# Allegro board FEMA_CBRS_1W_V0P4.brd (continued)
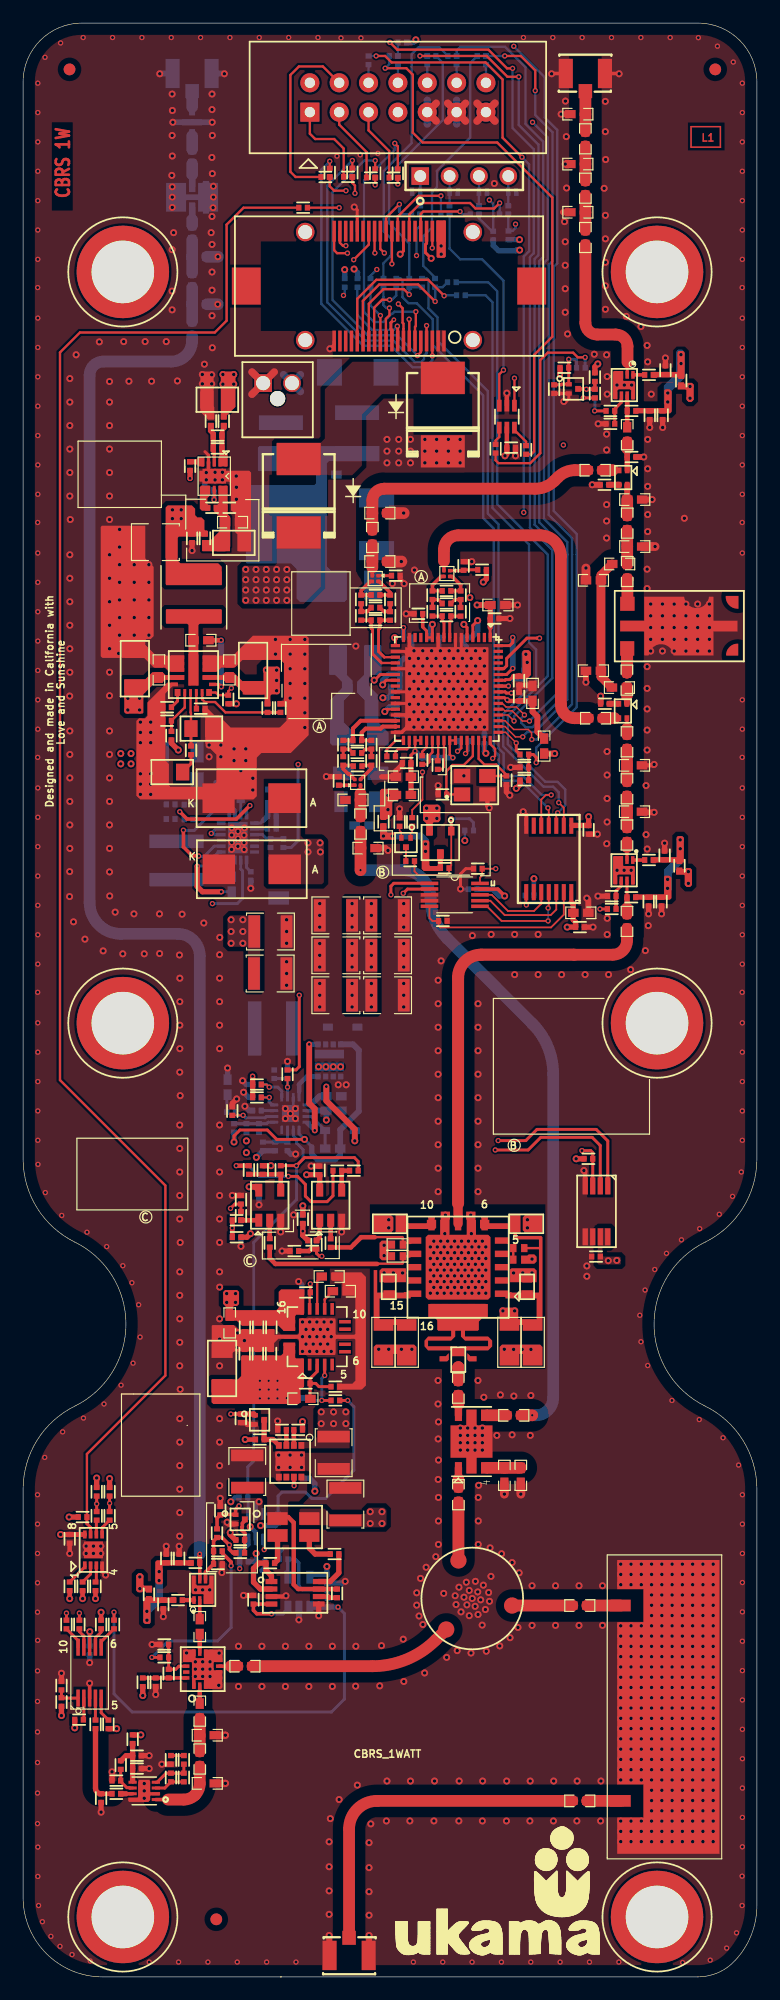
[diagram p0: board, top side]
## Routing (per net, layer and track width the routed paths; a pad name or vN(x,y) marks a point on that pad's centre or on a via; arc(x,y) is an arc through that point)
1.8V_PGOOD: length 91.5
  SIG2 w0.203: v1(16.38,92.84) 4.59,92.84 3.62,91.87 3.62,74.98 12.31,66.29 12.31,50.7 13.07,49.94 17.59,49.94 20.4,47.13 20.4,43.94 21.73,42.6 21.73,36.26 20.78,35.31 v1(18.74,35.31)
  BOTTOM w0.254: U13.18 18.83,95.82 18.99,95.66 18.99,93.29 18.53,92.84 v1(16.38,92.84)
  BOTTOM w0.381: U80.6 19.48,37.4 19.19,37.11 18.91,37.11 18.74,36.93 18.74,36.3 R23.2 v1(18.74,35.31)
1V8V_ENABLE: length 58.8
  TOP w0.203: J1.33 30.41,149.3 30.44,149.27 v1(30.44,149.12)
  SIG2 w0.203: v1(30.44,149.12) 30.44,148.43 28.32,146.31 28.32,132.21 27.56,131.45 27.56,105.54 26.9,104.88 v1(23.8,104.88)
  BOTTOM w0.254: v1(23.8,104.88) 23.8,98.29 23.2,97.69 R12.1
5V_LDO_EN: length 2.9
  TOP w0.203: U48.14 24.8,59.15 R215.2 v1(24.86,59.94) 24.86,59.94
  BOTTOM w0.203: R215.2 v1(24.86,59.94) 24.86,59.94
5V_LDO_PG: length 17.7
  TOP w0.254: R220.2 v1(28.08,49.86)
  BOTTOM w0.254: U80.3 22.05,40.04 R21.2 22.06,41.6 22.4,41.93 24.43,41.93 24.98,41.38 26.18,41.38 28.62,43.82 28.62,49.33 v1(28.08,49.86)
12V_DCDC_PGOOD: length 2.5
  TOP w0.203: U47.18 16.66,111.1 16.89,110.87 R210.2 17.75,111.2 v1(18.03,111.48)
28V_VDS_ENABLE: length 76.5
  TOP w0.203: v1(28.61,148.53) 29.91,149.84 J1.34
  TOP w0.254: v1(23.9,84.91) 23.9,78.73 23.62,78.45 R18.1
  SIG1 w0.203: v1(28.61,148.53) 27.57,148.53 27.16,148.12 27.16,139.04 26.07,137.96 26.07,104.94 23.9,102.77 v1(23.9,84.91)
GND: length 227.5
  TOP w0.254: v2(46.79,136.27) 46.99,136.27 47.23,136.5 Q2.2 ; U19.21 32.27,113.15 33.14,113.15 33.44,112.85 v2(33.44,112.73) ; v2(33.44,114.05) 33.44,114.23 33.01,114.65 32.27,114.65 U19.18 ; 15.74,131.93 16.04,131.63 16.04,131.06 ; v2(26.55,140.83) 26.91,141.19 J1.20 ; v2(33.44,110.08) 33.37,110.15 U19.27 ; C169.2 38.31,95.86 37.85,95.4 v2(37.85,94.11) ; U19.7 37.42,115.8 37.42,112.15 ; J1.24 34.92,151 34.92,149.95 34.82,149.85 34.82,149.15 v2(35.31,148.65) ; v2(32.63,149.01) 32.91,149.3 J1.28 ; 37.42,112.15 U19.65 ; 37.42,112.15 37.92,112.65 37.92,115.8 U19.6 ; U19.25 33.19,111.15 v2(33.44,111.4) ; v2(28.65,153.09) 28.91,152.83 J1.36 ; R106.1 27.56,101.8 ; J1.10 31.94,142.43 31.83,142.54 31.83,143.08 v3(32.08,143.34)
  TOP w0.305: U79.4 6.84,35.06 v2(7.14,34.76) ; U78.3 v2(5.76,25.4) ; 33.42,115.9 U19.15 33.42,115.11 v2(33.82,114.71) ; CON2.3 51.43,164.64 51.45,164.62 ; v2(33.82,108.1) 33.21,108.1 32.77,107.65 U19.32 32.17,107.65 ; 32.17,109.15 U19.29 33.05,109.15 v2(33.44,108.76) ; v2(43.27,100.79) 43.54,100.52 U84.7 ; v2(36.11,114.71) 36.11,114.76 35.92,114.95 35.92,115.8 U19.10 ; R41.2 47.23,136.96 Q2.2 ; 37.63,114.86 v2(37.63,114.71) ; CON2.2 45.76,164.64 v2(45.74,164.62) ; 16.04,131.06 U10.4 16.04,130.2 ; 32.17,111.15 U19.25 ; 32.17,110.15 U19.27
  TOP w0.381: v2(40.34,101.12) 40.18,101.27 U27.2 ; v2(54.61,104.88) 54.53,104.8 R289.2 ; C143.2 32.63,120.89 32.97,120.55 v2(32.97,120.51) ; U72.3 22.68,32.9 v2(22.75,32.96) ; U87.2 v2(41.86,137)
  TOP w0.394: C91.2 v2(4.03,36.62) ; v2(48.53,69.75) 48.63,69.65 48.63,68.4
  TOP w0.457: C140.1 v2(35.91,103.04) ; C155.2 v2(42.79,118.67) ; v2(42.12,102.21) 41.82,102.5 C144.1 ; R131.2 19.26,47.94 19.42,47.78 Q6.2 ; C249.2 v2(24.93,70.14) ; C145.2 v2(42.13,117.5) ; R167.2 v2(49.74,93.49) ; 43.02,111.67 C157.2 43.97,111.74 C154.2 C158.2 ; C206.2 v2(54.13,91.95) ; C257.2 v2(42.61,131.57) ; C63.2 v2(6.75,14.25) ; C199.2 v2(54.23,134.02) ; v2(17.65,39.33) 17.81,39.17 Q3.2 ; C138.2 v2(26.24,103.83) ; C195.2 v2(13.5,37.25) ; U86.3 v2(27.57,64.43) ; C201.2 v2(55.58,140.04) ; C196.2 v2(12.39,37.25) ; v2(17.2,34.97) 17.23,35 R161.2 ; C156.2 v2(33.14,117.91) ; C259.1 v2(10.91,19.14) ; C194.2 v2(12.13,31.16) ; C200.2 v2(55.34,134.02) ; C242.2 v2(14.62,123.37) ; C139.2 v2(38.83,122.42) ; R97.2 v2(11.16,28.75) ; C178.2 v2(49.32,90.81) ; C50.2 18.1,75.57 18.48,75.94 v2(18.48,75.94) ; C101.2 v2(11.48,24.42) ; R132.2 v2(19.08,33) ; R164.2 v2(49.76,134.34) ; C204.2 v2(55.51,98.07) ; R104.2 v2(17.06,41.4) ; C68.1 v2(10.91,18.02) ; R295.2 v2(18.1,67.6) ; R122.1 v2(32.58,101.03) ; R72.2 v2(3.32,26.26) ; 31.03,103.81 C148.2 32.26,104.3 32.81,104.86 C149.2 ; R128.2 v2(22.03,48.08) ; C131.2 v2(42.19,104.62) ; C205.2 v2(55.25,91.95) ; U72.5 v2(25.58,31.24) ; C179.2 v2(49.7,98.84) ; C258.1 v2(12.01,18.4) ; R308.1 v2(7.69,17.74) ; R297.2 v2(22.41,62.79)
  TOP w0.508: v2(31.58,97.43) 31.37,97.64 R107.1 ; C180.2 48.91,93.18 v2(48.78,93.31) ; 26.73,1.86 26.48,2.11 v2(26.48,3.58) ; 29.68,1.86 29.94,2.11 v2(29.94,3.58) ; R35.2 v2(49.25,129.07) ; U85.3 v2(22.29,64.43) ; 46.73,152.65 46.74,152.64 R37.1 ; R288.2 53.61,100.74 v2(54.61,100.74) ; R50.1 v2(54.44,127.79) ; v2(46.91,156.81) R36.1 ; C221.2 v2(53.71,131.47) ; R367.1 v2(48.71,111.99) ; D4.1 v2(46.56,161.13) ; R53.2 v2(49.98,110.79)
  TOP w0.635: 39.28,160.52 J3.13 ; J3.13 39.28,162.08 ; J3.13 40.83,162.08 ; J3.13 40.83,160.52 ; 36.74,162.08 J3.11 ; J3.11 38.29,160.52 ; J3.11 38.29,162.08 ; J3.11 36.74,160.52 ; R86.1 v2(17.5,16.74) ; R88.1 v2(17.5,20.9) ; 35.75,160.52 J3.9 35.75,162.08 ; 19.81,136.89 J2.1 ; J2.1 21.74,138.83 ; J2.1 19.81,138.83
  TOP w0.762: R59.2 v2(43.07,41.76) ; R49.1 v2(54.69,123.72) ; R58.2 v2(41.65,41.76) ; R368.1 v2(48.71,121.87)
  TOP w1.016: R118.1 v2(32.93,126.62) ; R117.1 v2(32.73,122.43)
  GND1 w0.635: 19.81,136.89 J2.1 ; J2.1 21.74,138.83 ; J2.1 19.81,138.83 ; J3.9 35.75,160.52 ; J3.9 34.2,162.08 ; J3.9 34.2,160.52 ; J3.9 35.75,162.08 ; J3.11 38.29,160.52 ; J3.11 36.74,160.52 ; J3.11 38.29,162.08 ; J3.11 36.74,162.08 ; J3.13 40.83,160.52 ; J3.13 39.28,162.08 ; J3.13 39.28,160.52 ; J3.13 40.83,162.08
  SIG1 w0.635: 34.2,162.08 J3.9 ; J3.9 35.75,162.08 ; J3.9 34.2,160.52 ; J3.9 35.75,160.52 ; 36.74,160.52 J3.11 ; J3.11 36.74,162.08 ; J3.11 38.29,160.52 ; J3.11 38.29,162.08 ; J3.13 40.83,160.52 ; J3.13 40.83,162.08 ; J3.13 39.28,160.52 ; J3.13 39.28,162.08 ; 19.81,136.89 J2.1 ; J2.1 21.74,138.83 ; J2.1 19.81,138.83
  SIG2 w0.635: J3.9 35.75,160.52 ; J3.9 34.2,160.52 ; J3.9 35.75,162.08 ; J3.9 34.2,162.08 ; J3.13 40.83,160.52 ; J3.13 39.28,162.08 ; J3.13 40.83,162.08 ; J3.13 39.28,160.52 ; 21.74,138.83 J2.1 20.77,136.89 ; 36.74,162.08 J3.11 ; J3.11 38.29,160.52 ; J3.11 36.74,160.52 ; J3.11 38.29,162.08
  BOTTOM w0.254: U1.11 23.38,75.29 v2(23.56,75.11) ; C168.2 37.88,94.08 v2(37.85,94.11) ; 18.01,99.61 18.01,99.58 18.06,99.53 v2(18.06,99.39)
  BOTTOM w0.381: v2(36.11,114.71) 36,114.81 C147.2 ; v2(33.82,114.71) 33.67,114.87 R109.2 ; 33.08,109.12 33.09,109.12 33.48,108.74 ; 33.08,109.12 v2(33.44,108.76) ; 33.08,109.12 C152.2 ; C146.2 v2(39.92,108.1) ; v2(38.4,114.71) 38.4,115.07 38.07,115.4 C150.2 ; C44.2 20.91,35.41 20.65,35.15 20.65,35.1 ; 22.39,36.96 22.17,36.73 R133.2
  BOTTOM w0.394: v2(20.41,41.1) 20.13,40.82 U80.2
  BOTTOM w0.457: v2(33.44,114.05) 32.95,114.05 32.59,113.69 C153.2 ; v2(15.85,130.12) 15.8,130.12 15.72,130.05 C248.2 ; v2(23.84,60.15) 24.11,59.88 R217.2 ; C89.2 v2(5.76,27.18) ; v2(19.19,75.31) 19.22,75.28 19.22,75.28 19.57,74.93 C49.2 ; v2(23.58,71.17) 23.16,71.17 R32.2 ; R27.2 19.52,76.07 v2(19.08,76.52) ; C159.2 42.42,112.27 42.4,112.29 ; C250.2 v2(20.41,66.78) ; R16.2 v2(19.7,94.16) ; R272.2 v2(18.85,63.2) ; v2(27.87,34.21) 27.76,34.21 27.62,34.07 C167.2 ; R20.2 v2(22.88,79.19) ; C20.2 R15.2 ; C52.2 v2(17.69,78.61) ; R274.2 v2(23.41,65.91) ; v2(18.99,77.52) 19.32,77.19 R25.1
  BOTTOM w0.508: C18.2 16.7,103.29 ; FL3.3 v2(16.46,154.89) ; 15.83,153.42 16.06,153.42 v2(16.44,153.04) ; U73.2 v2(23.86,30.88) ; CON4.2 17.39,164.64 v2(17.42,164.62) ; CON4.3 11.85,164.64 v2(11.83,164.62) ; C19.2 v2(18.84,104.34) ; v2(16.36,160.43) D5.2 v2(12.96,160.43)
  BOTTOM w0.635: 34.97,160.27 J3.9 34.97,162.33 ; 37.51,162.33 J3.11 37.51,160.27 ; 19.81,136.89 J2.1 19.81,138.83 ; 40.83,162.08 J3.13 40.83,160.52
  BOTTOM w1.016: R291.1 v2(16.86,148.79) ; R294.1 v2(16.84,144.68)
  vias: v1(1.25,41.71) v1(1.25,39.17) v1(1.25,36.63) v1(1.25,34.09) v1(1.25,31.55) v1(1.25,26.47) v1(1.25,23.83) v1(1.25,21.18) v1(1.25,18.54) v1(1.25,15.9) v1(1.25,13.26) v1(1.27,163.8) v1(1.27,161.26) v1(1.27,158.72) v1(1.27,156.18) v1(1.27,153.64) v1(1.27,151.1) v1(1.27,148.56) v1(1.26,146.13) v1(1.27,143.48) v1(1.27,140.94) v1(1.27,138.4) v1(1.27,135.86) v1(1.27,133.32) v1(1.27,130.78) v1(1.27,128.24) v1(1.26,125.81) v1(1.27,123.16) v1(1.27,120.62) v1(1.27,118.08) v1(1.27,115.54) v1(1.27,113) v1(1.27,110.46) v1(1.27,107.92) v1(1.26,105.49) v1(1.27,102.84) v1(1.27,100.3) v1(1.27,97.76) v1(1.27,95.22) v1(1.27,92.68) v1(1.27,90.14) v1(1.27,87.6) v1(1.26,85.17) v1(1.27,82.52) v1(1.27,79.98) v1(1.27,77.44) v1(1.27,74.9) v1(1.27,72.36) v1(1.29,70.28) v1(1.26,29.11) v1(1.27,11.23) v1(1.27,8.69) v1(1.34,6.17) v1(1.67,4.78) v1(1.9,166.04) v1(1.92,67.84) v1(1.87,44.93) v1(2.4,3.51) v1(3.24,167.28) v1(3.19,2.64) v1(3.34,65.86) v1(3.42,47.14) v1(4.23,1.93) v1(5.2,167.75) v1(5.22,48.34) v1(5.53,64.41) v1(5.81,1.37) v1(7,49.56) v1(7.23,63.17) v1(7.74,167.75) v1(8.47,51.18) v1(8.63,61.52) v1(9.41,60.05) v1(9.52,53.09) v1(10,58.14) v1(10.13,55.35) v1(10.28,167.75) v1(10.91,1.28) v1(12.82,167.75) v1(13.45,1.28) v1(15.36,167.75) v1(15.99,1.28) v1(17.9,167.75) v1(18.53,1.28) v1(20.44,167.75) v1(21.07,1.28) v1(22.98,167.75) v1(23.61,1.28) v1(25.52,167.75) v1(27.16,157.5) v1(27.51,167.72) v1(29.24,167.72) v1(29.18,157.61) v1(30.7,157.73) v1(33.77,1.28) v1(36.31,1.28) v1(38.85,1.28) v1(41.39,1.28) v1(43.3,167.75) v1(43.93,1.28) v1(45.84,167.75) v1(46.47,1.28) v1(48.38,167.75) v1(49.01,1.28) v1(50.92,167.75) v1(51.55,1.28) v1(53.37,57.23) v1(53.46,167.75) v1(53.47,54.94) v1(53.82,59.41) v1(54.05,52.88) v1(54.66,61.19) v1(55.68,62.59) v1(56,167.75) v1(56.15,49.86) v1(56.97,63.75) v1(57.07,1.24) v1(58.44,167.74) v1(58.55,64.72) v1(58.51,48.21) v1(59.46,1.45) v1(60.09,167.01) v1(60.25,65.96) v1(60.57,46.63) v1(60.88,2.49) v1(61.39,67.51) v1(61.46,165.63) v1(61.74,3.81) v1(61.92,44.27) v1(62.24,163.8) v1(62.24,161.26) v1(62.24,158.72) v1(62.24,156.18) v1(62.24,153.64) v1(62.24,151.1) v1(62.24,148.56) v1(62.23,146.13) v1(62.24,143.48) v1(62.24,140.94) v1(62.24,138.4) v1(62.24,135.86) v1(62.24,133.32) v1(62.24,130.78) v1(62.24,128.24) v1(62.23,125.81) v1(62.24,123.16) v1(62.24,110.46) v1(62.24,107.92) v1(62.23,105.49) v1(62.24,102.84) v1(62.24,100.3) v1(62.24,97.76) v1(62.24,95.22) v1(62.24,92.68) v1(62.24,90.14) v1(62.24,87.6) v1(62.23,85.17) v1(62.24,82.52) v1(62.24,79.98) v1(62.24,77.44) v1(62.24,74.9) v1(62.24,72.36) v1(62.15,69.62) v1(62.25,41.71) v1(62.25,39.17) v1(62.25,36.63) v1(62.25,34.11) v1(62.25,31.57) v1(62.25,29.03) v1(62.25,26.49) v1(62.25,23.95) v1(62.25,21.41) v1(62.25,18.87) v1(62.25,16.33) v1(62.25,13.79) v1(62.25,11.25) v1(62.22,8.71) v1(62.22,6.17) v2(4.04,138.25) v2(4.04,136.22) v2(4.04,134.19) v2(4.04,132.16) v2(4.04,130.12) v2(4.04,128.09) v2(4.04,123.01) v2(4.04,120.98) v2(4.04,118.95) v2(4.04,116.92) v2(4.04,114.88) v2(4.04,112.85) v2(4.03,110.79) v2(4.04,107.77) v2(4.04,105.74) v2(4.04,103.71) v2(4.04,101.68) v2(4.04,99.64) v2(4.04,97.61) v2(4.03,95.61) v2(4.02,93.45) v2(4.08,126.06) v2(4.36,91.26) v2(4.59,140.31) v2(5.35,89.76) v2(5.45,37.26) v2(5.45,36.63) v2(6.09,37.26) v2(6.09,36.63) v2(6.6,141.43) v2(6.72,37.26) v2(6.72,36.63) v2(6.93,88.75) v2(7.48,138) v2(7.48,136.22) v2(7.48,134.19) v2(7.48,132.16) v2(7.48,130.12) v2(7.48,128.09) v2(7.48,126.06) v2(7.48,123.01) v2(7.48,120.98) v2(7.48,118.95) v2(7.48,116.92) v2(7.48,114.88) v2(7.48,112.85) v2(7.48,110.82) v2(7.48,107.77) v2(7.48,105.74) v2(7.48,103.71) v2(7.48,101.68) v2(7.48,99.64) v2(7.48,97.61) v2(7.48,95.58) v2(7.5,93.5) v2(7.97,92.1) v2(8.35,125.2) v2(8.35,123.68) v2(8.35,122.15) v2(8.35,120.63) v2(8.35,119.11) v2(8.35,117.58) v2(8.35,116.06) v2(8.27,114.48) v2(8.63,88.49) v2(8.7,141.45) v2(9.16,138.02) v2(9.62,122.15) v2(9.62,120.63) v2(9.62,119.11) v2(9.62,117.58) v2(9.62,116.06) v2(9.59,91.95) v2(10.15,108.53) v2(10.15,107.65) v2(10.15,106.76) v2(10.15,104.06) v2(10.15,103.17) v2(10.15,102.29) v2(10.48,88.49) v2(10.48,16.72) v2(10.48,16.09) v2(10.48,15.45) v2(10.56,141.45) v2(10.89,122.15) v2(10.89,120.63) v2(10.89,119.11) v2(10.89,117.58) v2(10.89,116.06) v2(11.04,108.53) v2(11.04,107.65) v2(11.04,106.76) v2(11.04,104.06) v2(11.04,103.17) v2(11.04,102.29) v2(11.12,138.02) v2(11.8,91.95) v2(11.81,88.52) v2(12.39,141.45) v2(12.89,162.86) v2(12.92,161.44) v2(12.89,159.28) v2(12.91,157.51) v2(12.87,155.83) v2(12.91,154.84) v2(12.91,153.95) v2(12.91,153.06) v2(12.89,149.4) v2(12.89,145.82) v2(12.89,144.2) v2(13.02,150.88) v2(13.35,138.05) v2(13.53,88.39) v2(13.55,38.13) v2(13.56,86.39) v2(13.56,84.35) v2(13.56,82.32) v2(13.56,80.29) v2(13.56,78.26) v2(13.59,76.23) v2(13.56,73.69) v2(13.56,71.65) v2(13.56,69.62) v2(13.56,67.59) v2(13.56,65.56) v2(13.59,63.53) v2(13.56,60.99) v2(13.56,58.95) v2(13.56,56.92) v2(13.56,54.89) v2(13.56,52.86) v2(13.59,50.83) v2(13.56,48.29) v2(13.56,46.25) v2(13.56,44.22) v2(13.56,42.19) v2(13.56,40.16) v2(13.76,91.92) v2(14.14,28.02) v2(14.93,33.48) v2(14.9,27.25) v2(14.9,26.62) v2(14.9,25.98) v2(15.51,138.61) v2(15.51,137.8) v2(15.54,33.48) v2(15.54,27.25) v2(15.54,26.62) v2(15.54,25.98) v2(15.64,91.16) v2(15.69,139.5) v2(15.85,129.49) v2(16.09,106.55) v2(16.09,105.54) v2(16.15,33.48) v2(16.17,27.25) v2(16.17,26.62) v2(16.17,25.98) v2(16.35,162.86) v2(16.35,161.52) v2(16.34,157.38) v2(16.35,152.27) v2(16.27,150.88) v2(16.35,149.86) v2(16.35,147.47) v2(16.35,145.9) v2(16.35,143.69) v2(16.32,138.58) v2(16.32,137.8) v2(16.37,159.28) v2(16.37,155.98) v2(16.37,140.92) v2(16.46,153.95) v2(16.61,130.15) v2(16.61,129.49) v2(16.93,25.22) v2(17.02,89.92) v2(17,88.42) v2(17,86.39) v2(17,84.35) v2(17,82.32) v2(17,80.29) v2(17,73.69) v2(17,71.65) v2(17,69.62) v2(17,67.59) v2(17,65.56) v2(17,63.53) v2(17,60.99) v2(17.01,59.66) v2(17,56.92) v2(17.01,55.16) v2(17,52.86) v2(17,48.29) v2(17,46.25) v2(17,44.22) v2(17.01,42.49) v2(16.96,28.01) v2(17.11,106.55) v2(17.11,105.54) v2(17.25,130.15) v2(17.25,129.49) v2(18.04,97.52) v2(18.05,98.77) v2(18.05,98.13) v2(18.25,106.22) v2(18.25,105.21) v2(18.44,129.82) v2(18.46,128.85) v2(18.46,127.81) v2(18.49,54.43) v2(18.59,99.09) v2(18.59,98.45) v2(18.59,97.79) v2(18.57,55.7) v2(18.63,28.6) v2(18.63,25.12) v2(19.12,98.76) v2(19.12,98.12) v2(19.13,97.51) v2(19.15,99.39) v2(19.15,55.04) v2(19.27,106.22) v2(19.27,105.21) v2(19.88,103.68) v2(19.88,102.67) v2(20.67,28.6) v2(20.67,25.12) v2(21.84,115.69) v2(21.84,114.42) v2(22.11,45.14) v2(22.11,44.07) v2(22.7,75.11) v2(22.7,74.25) v2(22.7,28.6) v2(22.7,25.12) v2(22.8,91.44) v2(22.8,90.42) v2(22.8,89.41) v2(22.8,87.81) v2(22.8,86.79) v2(22.8,85.78) v2(23.11,115.69) v2(23.11,114.42) v2(23.11,113.15) v2(23.11,111.88) v2(23.11,110.61) v2(23.13,74.68) v2(23.11,45.14) v2(23.11,44.07) v2(23.56,74.24) v2(24.1,45.14) v2(24.1,44.07) v2(24.18,56.65) v2(24.18,55.37) v2(24.18,54.1) v2(24.38,115.69) v2(24.38,114.42) v2(24.38,113.15) v2(24.38,111.88) v2(24.38,110.61) v2(24.38,109.34) v2(24.38,108.07) v2(24.48,56.01) v2(24.48,54.74) v2(24.73,28.6) v2(24.73,25.12) v2(24.8,56.65) v2(24.8,55.37) v2(24.8,54.1) v2(25.1,56.01) v2(25.1,54.74) v2(25.42,56.65) v2(25.42,55.37) v2(25.42,54.1) v2(25.67,92.84) v2(25.67,91.82) v2(25.67,90.81) v2(25.67,89.38) v2(25.67,88.37) v2(25.67,87.35) v2(25.67,85.93) v2(25.67,84.91) v2(25.67,83.9) v2(25.73,56.01) v2(25.73,54.74) v2(26.04,56.65) v2(26.04,55.37) v2(26.04,54.1) v2(26.36,56.01) v2(26.36,54.74) v2(26.48,11.68) v2(26.48,9.53) v2(26.48,7.44) v2(26.48,5.41) v2(26.58,13.69) v2(26.67,56.65) v2(26.67,55.37) v2(26.67,54.1) v2(26.76,28.6) v2(26.76,25.12) v2(27.27,77.17) v2(27.35,15.34) v2(27.96,77.17) v2(28.79,115.11) v2(28.79,28.6) v2(28.78,25.15) v2(28.92,16.59) v2(29.94,11.61) v2(29.94,9.45) v2(29.94,7.37) v2(29.94,5.33) v2(30.09,13.23) v2(30.78,54.29) v2(30.86,25.17) v2(31.01,28.65) v2(31.24,63.29) v2(31.24,62.39) v2(31.24,60.89) v2(31.44,13.49) v2(31.49,132.99) v2(31.49,131.98) v2(31.49,130.96) v2(31.49,16.94) v2(31.64,65.49) v2(31.64,64.79) v2(31.64,54.29) v2(31.96,120.52) v2(32.04,60.89) v2(32.5,132.99) v2(32.5,131.98) v2(32.5,130.96) v2(32.74,54.29) v2(32.84,60.89) v2(32.94,92.84) v2(32.94,91.82) v2(32.94,90.81) v2(32.94,89.38) v2(32.94,88.37) v2(32.94,87.35) v2(32.94,85.93) v2(32.94,84.91) v2(32.94,83.9) v2(32.89,29.21) v2(32.94,25.55) v2(33.52,132.99) v2(33.52,131.98) v2(33.52,130.96) v2(33.52,16.94) v2(33.47,13.49) v2(33.64,54.29) v2(33.82,113.39) v2(33.82,112.06) v2(33.82,110.74) v2(33.82,109.42) v2(33.86,121.69) v2(34.06,33.22) v2(34.06,32.16) v2(34.2,114.05) v2(34.2,112.73) v2(34.2,111.4) v2(34.2,110.08) v2(34.2,108.76) v2(34.26,31.22) v2(34.39,34.47) v2(34.59,114.71) v2(34.59,113.39) v2(34.59,112.06) v2(34.59,110.74) v2(34.59,109.42) v2(34.59,108.1) v2(34.59,30.48) v2(34.75,26.29) v2(34.77,132.99) v2(34.77,131.98) v2(34.77,130.96) v2(34.87,35.43) v2(34.97,114.05) v2(34.97,112.73) v2(34.97,111.4) v2(34.97,110.08) v2(34.97,108.76) v2(35.24,63.14) v2(35.24,62.14) v2(35.24,61.14) v2(35.24,60.14) v2(35.24,59.14) v2(35.35,114.71) v2(35.35,113.39) v2(35.35,112.06) v2(35.35,110.74) v2(35.35,109.42) v2(35.35,108.1) v2(35.54,63.64) v2(35.54,62.64) v2(35.54,61.64) v2(35.54,60.64) v2(35.54,59.64) v2(35.6,16.94) v2(35.55,13.49) v2(35.73,114.05) v2(35.73,112.73) v2(35.73,111.4) v2(35.73,110.08) v2(35.73,108.76) v2(35.71,36.35) v2(35.78,132.99) v2(35.78,131.98) v2(35.78,130.96) v2(35.84,63.14) v2(35.84,62.14) v2(35.84,61.14) v2(35.84,60.14) v2(35.84,59.14) v2(35.91,86.21) v2(35.91,84.18) v2(35.91,82.14) v2(35.91,80.11) v2(35.91,78.08) v2(35.91,76.05) v2(35.91,74.02) v2(35.91,71.98) v2(35.91,69.95) v2(35.91,67.92) v2(35.91,51.59) v2(35.91,49.56) v2(35.94,48.01) v2(35.92,46.53) v2(35.94,44.7) v2(35.92,43.03) v2(35.94,41.47) v2(35.94,39.44) v2(35.94,37.41) v2(36.11,113.39) v2(36.11,112.06) v2(36.11,110.74) v2(36.11,109.42) v2(36.11,108.1) v2(36.14,63.64) v2(36.14,62.64) v2(36.14,61.64) v2(36.14,60.64) v2(36.14,59.64) v2(36.17,87.88) v2(36.44,63.14) v2(36.44,62.14) v2(36.44,61.14) v2(36.44,60.14) v2(36.44,59.14) v2(36.4,33.17) v2(36.49,114.05) v2(36.49,112.73) v2(36.49,111.4) v2(36.49,110.08) v2(36.49,108.76) v2(36.54,65.89) v2(36.49,64.29) v2(36.74,63.64) v2(36.74,62.64) v2(36.74,61.64) v2(36.74,60.64) v2(36.74,59.64) v2(36.65,27.64) v2(36.8,132.99) v2(36.8,131.98) v2(36.8,130.96) v2(36.87,114.71) v2(36.87,113.39) v2(36.87,112.06) v2(36.87,110.74) v2(36.87,109.42) v2(36.87,108.1) v2(37.04,63.14) v2(37.04,62.14) v2(37.04,61.14) v2(37.04,60.14) v2(37.04,59.14) v2(37.25,114.05) v2(37.25,112.73) v2(37.25,111.4) v2(37.25,110.08) v2(37.25,108.76) v2(37.34,63.64) v2(37.34,62.64) v2(37.34,61.64) v2(37.34,60.64) v2(37.34,59.64) v2(37.39,32.97) v2(37.47,32.21) v2(37.63,113.39) v2(37.63,112.06) v2(37.63,110.74) v2(37.63,109.42) v2(37.63,108.1) v2(37.64,63.14) v2(37.64,62.14) v2(37.64,61.14) v2(37.64,60.14) v2(37.64,59.14) v2(37.57,28.22) v2(37.72,33.71) v2(37.74,16.94) v2(37.71,13.49) v2(37.82,132.99) v2(37.82,131.98) v2(37.82,130.96) v2(37.84,47.47) v2(37.84,46.84) v2(37.84,46.2) v2(37.84,45.57) v2(37.94,63.64) v2(37.94,62.64) v2(37.94,61.64) v2(37.94,60.64) v2(37.94,59.64) v2(37.9,31.57) v2(38.01,114.05) v2(38.01,112.73) v2(38.01,111.4) v2(38.01,110.08) v2(38.01,108.76) v2(38.14,103.89) v2(38.24,63.14) v2(38.24,62.14) v2(38.24,61.14) v2(38.24,60.14) v2(38.24,59.14) v2(38.15,32.84) v2(38.4,113.39) v2(38.4,112.06) v2(38.4,110.74) v2(38.4,109.42) v2(38.4,108.1) v2(38.35,34.14) v2(38.4,32.18) v2(38.54,63.64) v2(38.54,62.64) v2(38.54,61.64) v2(38.54,60.64) v2(38.54,59.64) v2(38.47,47.47) v2(38.47,46.84) v2(38.47,46.2) v2(38.47,45.57) v2(38.61,33.43) v2(38.61,31.24) v2(38.74,65.89) v2(38.78,114.05) v2(38.78,112.73) v2(38.78,111.4) v2(38.78,110.08) v2(38.78,108.76) v2(38.79,64.29) v2(38.84,63.14) v2(38.84,62.14) v2(38.84,61.14) v2(38.84,60.14) v2(38.84,59.14) v2(38.76,28.02) v2(38.88,90.07) v2(38.87,32.73) v2(39.14,63.64) v2(39.14,62.64) v2(39.14,61.64) v2(39.14,60.64) v2(39.14,59.64) v2(39.11,47.47) v2(39.11,46.84) v2(39.11,46.2) v2(39.11,45.57) v2(39.14,34.21) v2(39.12,32.05) v2(39.16,114.71) v2(39.16,113.39) v2(39.16,112.06) v2(39.16,110.74) v2(39.16,109.42) v2(39.16,108.1) v2(39.34,33.3) v2(39.37,84.18) v2(39.37,82.14) v2(39.37,80.11) v2(39.37,78.08) v2(39.37,76.05) v2(39.37,74.02) v2(39.37,71.98) v2(39.37,69.95) v2(39.37,67.92) v2(39.44,63.14) v2(39.44,62.14) v2(39.44,61.14) v2(39.44,60.14) v2(39.44,59.14) v2(39.36,51.59) v2(39.42,42.52) v2(39.39,41.47) v2(39.39,39.44) v2(39.39,37.41) v2(39.37,31.34) v2(39.54,114.05) v2(39.54,112.73) v2(39.54,111.4) v2(39.54,110.08) v2(39.54,108.76) v2(39.6,32.61) v2(39.74,63.64) v2(39.74,62.64) v2(39.74,61.64) v2(39.74,60.64) v2(39.74,59.64) v2(39.74,47.47) v2(39.74,46.84) v2(39.74,46.2) v2(39.74,45.57) v2(39.73,30.43) v2(39.74,13.49) v2(39.83,33.88) v2(39.77,16.94) v2(39.92,114.71) v2(39.92,113.39) v2(39.92,112.06) v2(39.92,110.74) v2(39.92,109.42) v2(39.87,50.14) v2(40.04,63.14) v2(40.04,62.14) v2(40.04,61.14) v2(40.04,60.14) v2(40.04,59.14) v2(40.01,31.78) v2(40.08,28.17) v2(40.28,33.25) v2(40.41,37.11) v2(40.36,32.49) v2(40.5,90.18) v2(40.49,34.65) v2(40.78,155.13) v2(41,46.84) v2(41.25,28.63) v2(41.3,50.34) v2(41.4,36.6) v2(41.64,54.29) v2(41.82,13.49) v2(41.85,16.94) v2(42.14,29.34) v2(42.32,46.89) v2(42.32,35.84) v2(42.44,60.89) v2(42.45,54.28) v2(42.54,90.18) v2(42.54,86.7) v2(42.47,50.24) v2(42.82,30.23) v2(42.93,34.95) v2(43.24,60.89) v2(43.18,54.28) v2(43.64,65.49) v2(43.64,64.79) v2(43.95,54.28) v2(43.94,50.29) v2(43.89,46.84) v2(43.88,16.94) v2(43.86,13.49) v2(44.04,62.09) v2(44.04,60.89) v2(44.04,33.83) v2(44.04,30.4) v2(44.57,90.18) v2(44.57,86.7) v2(45.91,16.94) v2(45.89,13.49) v2(46.08,33.83) v2(46.08,30.4) v2(46.6,86.7) v2(46.93,162.26) v2(46.85,151.83) v2(46.91,150.09) v2(46.91,148.06) v2(46.91,146.02) v2(46.91,143.99) v2(47.01,159.18) v2(47.03,154.74) v2(47.12,142.11) v2(47.95,16.94) v2(47.92,13.49) v2(48.11,33.83) v2(48.11,30.4) v2(48.63,86.7) v2(48.78,61.49) v2(48.78,60.6) v2(49.43,140.36) v2(50,16.94) v2(49.98,13.49) v2(50.14,33.83) v2(50.14,30.4) v2(50.28,154.71) v2(50.38,162.23) v2(50.38,159.61) v2(50.41,157.2) v2(50.39,152.37) v2(50.39,150.34) v2(50.39,148.31) v2(50.39,146.28) v2(50.39,144.25) v2(50.5,140.31) v2(50.55,138.43) v2(50.55,136.91) v2(50.5,133.45) v2(50.5,132.08) v2(50.5,127.36) v2(50.5,125.93) v2(50.5,124.46) v2(50.54,105.99) v2(50.54,103.96) v2(50.54,101.93) v2(50.54,99.9) v2(50.5,98.02) v2(50.55,91.57) v2(50.55,90.17) v2(50.66,86.7) v2(51.39,137.69) v2(51.4,95.72) v2(51.58,164.62) v2(51.72,35.7) v2(51.72,34.81) v2(51.72,33.92) v2(51.72,30.37) v2(51.72,29.48) v2(51.72,28.59) v2(51.72,27.7) v2(51.72,26.81) v2(51.72,25.92) v2(51.72,25.03) v2(51.72,24.14) v2(51.72,23.25) v2(51.72,22.37) v2(51.72,21.48) v2(51.72,20.59) v2(51.72,19.7) v2(51.72,18.81) v2(51.72,17.92) v2(51.72,17.03) v2(51.72,13.48) v2(51.72,12.59) v2(51.72,11.7) v2(52.03,137.69) v2(52.01,95.72) v2(52.2,143.64) v2(52.62,95.72) v2(52.58,87.12) v2(52.61,35.7) v2(52.61,34.81) v2(52.61,33.92) v2(52.61,30.37) v2(52.61,29.48) v2(52.61,28.59) v2(52.61,27.7) v2(52.61,26.81) v2(52.61,25.92) v2(52.61,25.03) v2(52.61,24.14) v2(52.61,23.25) v2(52.61,22.37) v2(52.61,21.48) v2(52.61,20.59) v2(52.61,19.7) v2(52.61,18.81) v2(52.61,17.92) v2(52.61,17.03) v2(52.61,13.48) v2(52.61,12.59) v2(52.61,11.7) v2(52.66,137.69) v2(53.47,142.75) v2(53.5,35.7) v2(53.5,34.81) v2(53.5,33.92) v2(53.5,30.37) v2(53.5,29.48) v2(53.5,28.59) v2(53.5,27.7) v2(53.5,26.81) v2(53.5,25.92) v2(53.5,25.03) v2(53.5,24.14) v2(53.5,23.25) v2(53.5,22.37) v2(53.5,21.48) v2(53.5,20.59) v2(53.5,19.7) v2(53.5,18.81) v2(53.5,17.92) v2(53.5,17.03) v2(53.5,13.48) v2(53.5,12.59) v2(53.5,11.7) v2(53.85,88.77) v2(53.91,103.05) v2(53.91,98.81) v2(54,141.12) v2(54,121.77) v2(54,120.09) v2(54,113.33) v2(54,111.46) v2(54,109.68) v2(54,107.85) v2(54,106.12) v2(54.01,97.56) v2(54.05,139.7) v2(54.05,132.99) v2(54.05,130.45) v2(54.05,128.93) v2(54.05,126.49) v2(54.05,125.02) v2(54.1,90.93) v2(54.31,118.75) v2(54.31,117.73) v2(54.31,116.72) v2(54.31,115.7) v2(54.31,114.68) v2(54.36,136.91) v2(54.38,35.7) v2(54.38,34.81) v2(54.38,33.92) v2(54.38,33.03) v2(54.38,32.14) v2(54.38,31.26) v2(54.38,30.37) v2(54.38,29.48) v2(54.38,28.59) v2(54.38,27.7) v2(54.38,26.81) v2(54.38,25.92) v2(54.38,25.03) v2(54.38,24.14) v2(54.38,23.25) v2(54.38,22.37) v2(54.38,21.48) v2(54.38,20.59) v2(54.38,19.7) v2(54.38,18.81) v2(54.38,17.92) v2(54.38,17.03) v2(54.38,16.14) v2(54.38,15.25) v2(54.38,14.36) v2(54.38,13.48) v2(54.38,12.59) v2(54.38,11.7) v2(55.33,118.75) v2(55.33,117.73) v2(55.33,116.72) v2(55.33,115.7) v2(55.33,114.68) v2(55.27,35.7) v2(55.27,34.81) v2(55.27,33.92) v2(55.27,33.03) v2(55.27,32.14) v2(55.27,31.26) v2(55.27,30.37) v2(55.27,29.48) v2(55.27,28.59) v2(55.27,27.7) v2(55.27,26.81) v2(55.27,25.92) v2(55.27,25.03) v2(55.27,24.14) v2(55.27,23.25) v2(55.27,22.37) v2(55.27,21.48) v2(55.27,20.59) v2(55.27,19.7) v2(55.27,18.81) v2(55.27,17.92) v2(55.27,17.03) v2(55.27,16.14) v2(55.27,15.25) v2(55.27,14.36) v2(55.27,13.48) v2(55.27,12.59) v2(55.27,11.7) v2(56.16,35.7) v2(56.16,34.81) v2(56.16,33.92) v2(56.16,33.03) v2(56.16,32.14) v2(56.16,31.26) v2(56.16,30.37) v2(56.16,29.48) v2(56.16,28.59) v2(56.16,27.7) v2(56.16,26.81) v2(56.16,25.92) v2(56.16,25.03) v2(56.16,24.14) v2(56.16,23.25) v2(56.16,22.37) v2(56.16,21.48) v2(56.16,20.59) v2(56.16,19.7) v2(56.16,18.81) v2(56.16,17.92) v2(56.16,17.03) v2(56.16,16.14) v2(56.16,15.25) v2(56.16,14.36) v2(56.16,13.48) v2(56.16,12.59) v2(56.16,11.7) v2(56.34,118.75) v2(56.34,117.73) v2(56.34,116.72) v2(56.34,115.7) v2(56.34,114.68) v2(57.05,35.7) v2(57.05,34.81) v2(57.05,33.92) v2(57.05,33.03) v2(57.05,32.14) v2(57.05,31.26) v2(57.05,30.37) v2(57.05,29.48) v2(57.05,28.59) v2(57.05,27.7) v2(57.05,26.81) v2(57.05,25.92) v2(57.05,25.03) v2(57.05,24.14) v2(57.05,23.25) v2(57.05,22.37) v2(57.05,21.48) v2(57.05,20.59) v2(57.05,19.7) v2(57.05,18.81) v2(57.05,17.92) v2(57.05,17.03) v2(57.05,16.14) v2(57.05,15.25) v2(57.05,14.36) v2(57.05,13.48) v2(57.05,12.59) v2(57.05,11.7) v2(57.22,126.17) v2(57.36,118.75) v2(57.36,117.73) v2(57.36,116.72) v2(57.36,115.7) v2(57.36,114.68) v2(57.94,35.7) v2(57.94,34.81) v2(57.94,33.92) v2(57.94,33.03) v2(57.94,32.14) v2(57.94,31.26) v2(57.94,30.37) v2(57.94,29.48) v2(57.94,28.59) v2(57.94,27.7) v2(57.94,26.81) v2(57.94,25.92) v2(57.94,25.03) v2(57.94,24.14) v2(57.94,23.25) v2(57.94,22.37) v2(57.94,21.48) v2(57.94,20.59) v2(57.94,19.7) v2(57.94,18.81) v2(57.94,17.92) v2(57.94,17.03) v2(57.94,16.14) v2(57.94,15.25) v2(57.94,14.36) v2(57.94,13.48) v2(57.94,12.59) v2(57.94,11.7) v2(58.37,118.75) v2(58.37,117.73) v2(58.37,116.72) v2(58.37,115.7) v2(58.37,114.68) v2(58.83,35.7) v2(58.83,34.81) v2(58.83,33.92) v2(58.83,33.03) v2(58.83,32.14) v2(58.83,31.26) v2(58.83,30.37) v2(58.83,29.48) v2(58.83,28.59) v2(58.83,27.7) v2(58.83,26.81) v2(58.83,25.92) v2(58.83,25.03) v2(58.83,24.14) v2(58.83,23.25) v2(58.83,22.37) v2(58.83,21.48) v2(58.83,20.59) v2(58.83,19.7) v2(58.83,18.81) v2(58.83,17.92) v2(58.83,17.03) v2(58.83,16.14) v2(58.83,15.25) v2(58.83,14.36) v2(58.83,13.48) v2(58.83,12.59) v2(58.83,11.7) v2(59.39,118.75) v2(59.39,117.73) v2(59.39,116.72) v2(59.39,115.7) v2(59.39,114.68) v2(59.72,35.7) v2(59.72,34.81) v2(59.72,33.92) v2(59.72,33.03) v2(59.72,32.14) v2(59.72,31.26) v2(59.72,30.37) v2(59.72,29.48) v2(59.72,28.59) v2(59.72,27.7) v2(59.72,26.81) v2(59.72,25.92) v2(59.72,25.03) v2(59.72,24.14) v2(59.72,23.25) v2(59.72,22.37) v2(59.72,21.48) v2(59.72,20.59) v2(59.72,19.7) v2(59.72,18.81) v2(59.72,17.92) v2(59.72,17.03) v2(59.72,16.14) v2(59.72,15.25) v2(59.72,14.36) v2(59.72,13.48) v2(59.72,12.59) v2(59.72,11.7)
